# KiCad board beaglebone-ai.kicad_pcb (continued)
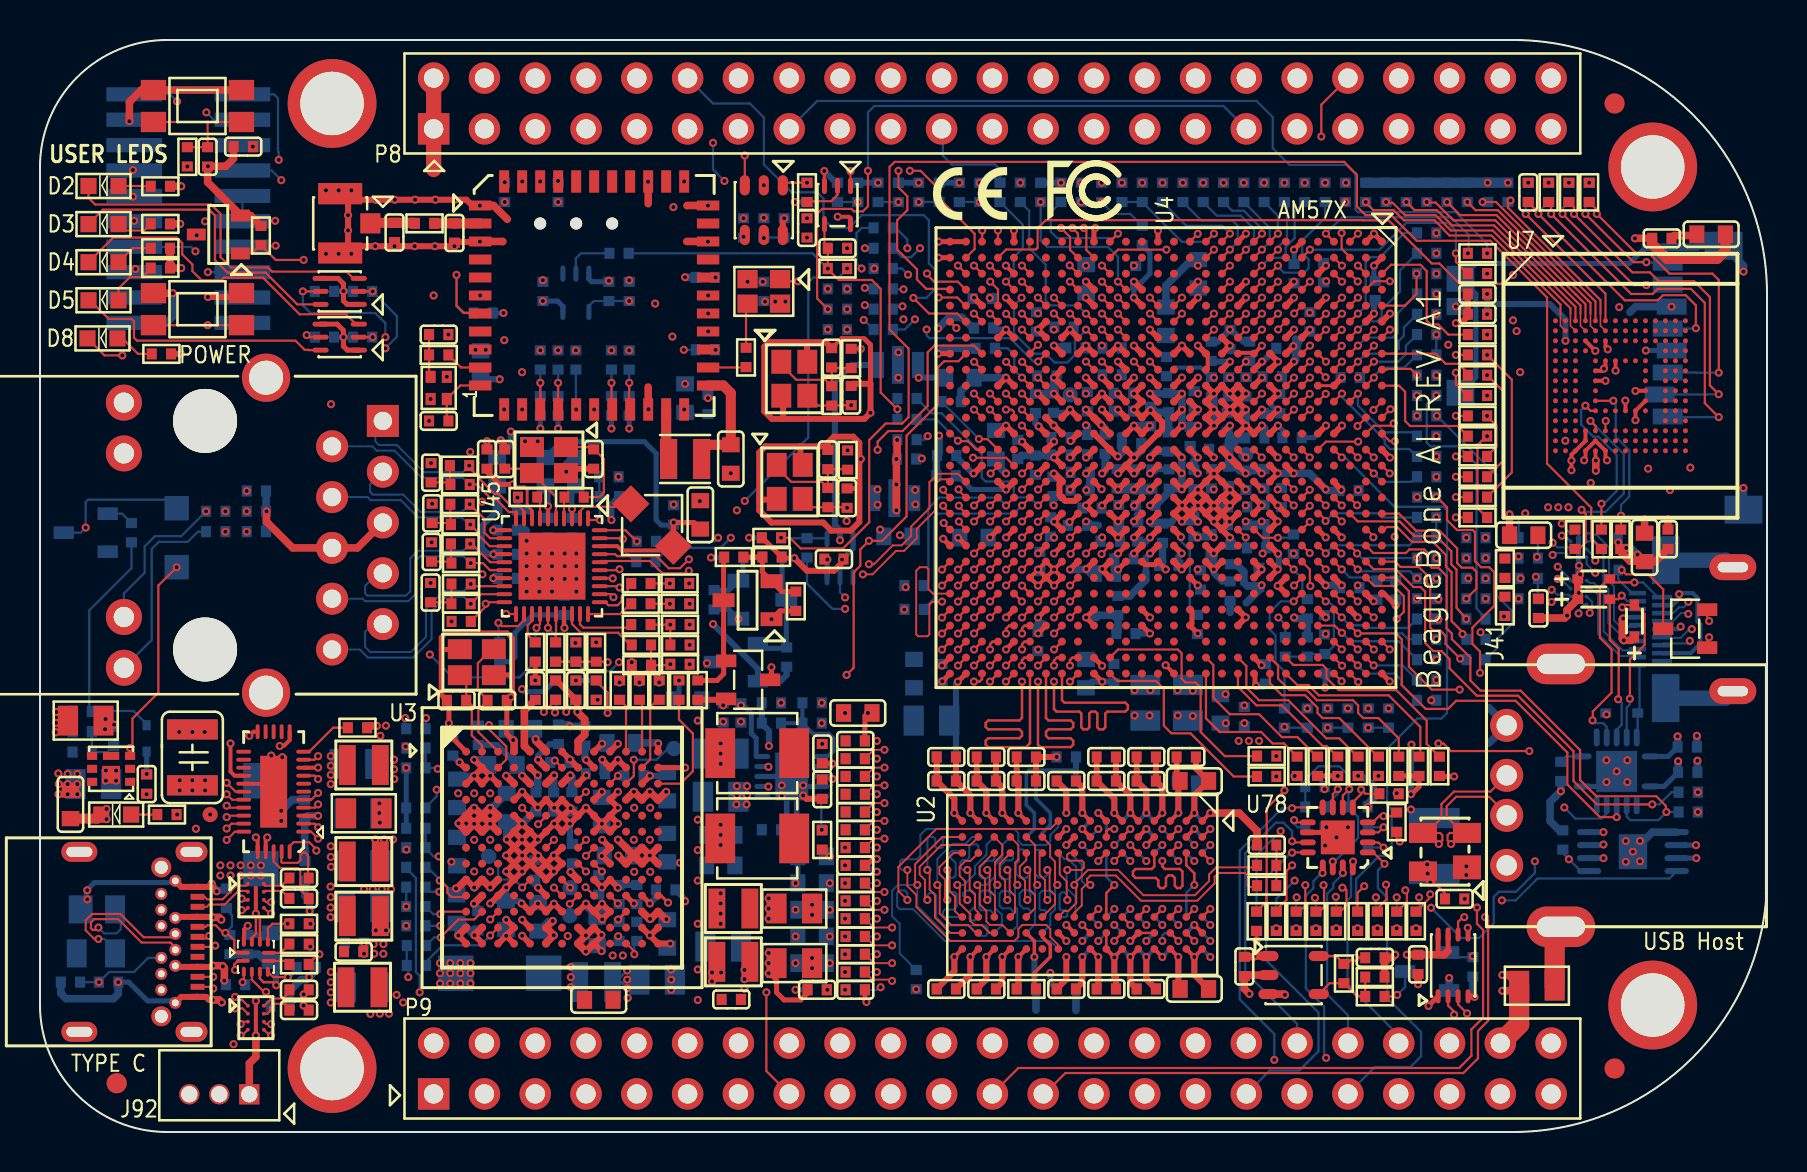
[diagram p0: board, top side]
## Routing (per net, layer and track width the routed paths; a pad name or vN(x,y) marks a point on that pad's centre or on a via; arc(x,y) is an arc through that point) (continued)
/DDR/DDR Part 1/DDR1_D24: length 30.4
  TOP w0.127: U4.AA23 v1(50.71,26.53) ; U2.A7 v1(58.52,11.15)
  SIG_L8 w0.121: v1(58.52,11.15) 58.27,11.15 58.15,11.03 58.15,10.87 58.27,10.74 59.54,10.74 59.67,10.87 59.67,11.06 59.54,11.18 59.29,11.18 59.16,11.31 59.16,11.5 59.29,11.63 59.54,11.63 59.67,11.75 59.67,17.79 58.84,18.61 58.21,18.61 57.95,18.36 57.57,18.36 57.32,18.61 56.24,18.61 55.92,18.93 55.92,19.88 55.8,20.01 55.35,20.01 55.22,20.14 55.22,20.33 55.35,20.45 55.8,20.45 55.92,20.58 55.92,21.03 55.73,21.22 54.46,21.22 54.34,21.34 54.34,22.36 54.59,22.61 54.59,22.99 54.46,23.12 54.08,23.12 53.95,22.99 53.95,22.68 53.83,22.55 53.64,22.55 53.51,22.68 53.51,24.01 52.56,24.96 51.72,24.96 51.12,25.57 51.12,26.8 50.99,26.93 50.65,26.93 50.53,26.8 50.53,26.66 50.65,26.53 v1(50.71,26.53)
/DDR/DDR Part 1/DDR1_D25: length 30.4
  TOP w0.127: U4.Y22 v1(51.51,27.33) ; U2.D7 v1(56.12,11.15)
  SIG_L8 w0.121: v1(56.12,11.15) 56.52,10.75 56.52,9.31 56.68,9.15 57.05,9.15 57.32,8.88 57.32,8.58 57.52,8.38 58.71,8.38 61.26,10.93 61.26,17.72 57.29,21.69 56.74,21.69 56.49,21.93 56.49,22.58 52.02,27.05 51.78,27.05 v1(51.51,27.33)
/DDR/DDR Part 1/DDR1_D26: length 30.3
  TOP w0.127: U2.C8 v1(56.92,9.55) ; U4.Y23 v1(51.51,26.53)
  SIG_L8 w0.121: v1(51.51,26.53) 52.07,26.53 56.11,22.49 56.11,21.85 56.62,21.34 57.13,21.34 57.27,21.2 57.27,20.63 57.51,20.39 58.08,20.39 60.43,18.04 60.43,17.27 60.55,17.15 60.81,17.15 60.93,17.03 60.93,16.79 60.81,16.67 60.55,16.67 60.43,16.55 60.43,16.31 60.55,16.19 60.81,16.19 60.93,16.07 60.93,15.83 60.81,15.7 60.55,15.7 60.43,15.58 60.43,15.34 60.55,15.22 60.81,15.22 60.93,15.1 60.93,14.86 60.81,14.74 60.55,14.74 60.43,14.62 60.43,14.03 60.55,13.91 60.81,13.91 60.93,13.79 60.93,13.55 60.81,13.43 60.55,13.43 60.43,13.31 60.43,13.07 60.55,12.95 60.81,12.95 60.93,12.83 60.93,12.58 60.81,12.46 60.55,12.46 60.43,12.34 60.43,12.1 60.55,11.98 60.81,11.98 60.93,11.86 60.93,11.62 60.81,11.5 60.55,11.5 60.43,11.38 60.43,10.61 58.97,9.15 57.57,9.15 57.17,9.55 v1(56.92,9.55)
/DDR/DDR Part 1/DDR1_D27: length 29.9
  TOP w0.127: U2.C3 v1(56.92,14.35) ; U4.AA24 v1(50.71,25.73)
  SIG_L8 w0.121: v1(50.71,25.73) 50.71,25.48 51.11,25.08 51.11,21.79 51.24,21.66 51.48,21.66 51.6,21.79 51.6,22.04 51.73,22.17 51.92,22.17 52.05,22.04 52.05,21.47 52.18,21.34 53.07,21.34 53.19,21.22 53.19,21.03 53.07,20.9 52.18,20.9 52.05,20.77 52.05,20.58 52.18,20.45 53.07,20.45 53.19,20.33 53.19,18.29 53.32,18.17 55.16,18.17 55.29,18.04 55.29,17.85 55.16,17.72 53.32,17.72 53.19,17.6 53.19,17.41 53.32,17.28 55.16,17.28 55.29,17.15 55.29,16.96 55.16,16.83 54.65,16.83 54.53,16.71 54.53,16.52 54.65,16.39 54.78,16.39 54.91,16.25 54.91,15.69 55.04,15.57 57.95,15.57 58.11,15.41 58.11,14.98 57.87,14.74 57.47,14.74 57.35,14.61 57.35,14.07 57.22,13.94 56.63,13.94 56.51,14.07 56.51,14.5 56.63,14.62 56.79,14.62 56.92,14.5 v1(56.92,14.35)
/DDR/DDR Part 1/DDR1_D28: length 29.9
  TOP w0.127: U4.Y24 v1(51.51,25.73) ; U2.B8 v1(57.72,9.55)
  SIG_L8 w0.121: v1(57.72,9.55) 57.7,9.55 57.7,9.85 57.83,9.98 59.29,9.98 60.05,10.74 60.05,17.91 58.97,18.99 58.21,18.99 58.08,19.12 58.08,19.88 57.95,20.01 57.76,20.01 57.64,19.88 57.64,19.12 57.51,18.99 57.32,18.99 57.19,19.12 57.19,20.2 57.07,20.33 56.88,20.33 56.75,20.2 56.75,19.12 56.62,18.99 56.43,18.99 56.3,19.12 56.3,21.15 55.74,21.72 55.24,21.72 55.12,21.84 55.12,22.97 52.74,25.35 52.04,25.35 51.92,25.47 51.92,26.03 51.8,26.16 51.63,26.16 51.51,26.03 v1(51.51,25.73)
/DDR/DDR Part 1/DDR1_D29: length 30.3
  TOP w0.127: U4.AA26 v1(50.71,24.13) ; U2.A2 v1(58.52,15.15)
  SIG_L8 w0.121: v1(50.71,24.13) 50.71,24.39 50.56,24.54 48.04,24.54 47.92,24.66 47.92,24.84 47.79,24.96 47.22,24.96 47.1,24.84 47.1,23.82 47.22,23.69 49.32,23.69 49.51,23.5 49.51,22.36 49.06,21.91 49.06,21.41 49.19,21.29 49.5,21.29 50.4,20.39 50.4,19.73 50.52,19.61 51.18,19.61 51.6,19.18 51.6,17.02 52.53,16.1 52.53,15.02 52.81,14.74 53.07,14.74 53.32,14.48 53.32,14.23 53.57,13.98 53.83,13.98 54.14,13.66 54.14,13.28 54.27,13.15 54.65,13.15 54.84,12.96 54.84,12.07 54.97,11.94 56.24,11.94 56.53,12.24 56.53,12.96 56.66,13.09 57.83,13.09 58.12,13.38 58.12,14.52 58.52,14.92 v1(58.52,15.15)
/DDR/DDR Part 1/DDR1_D30: length 30.3
  TOP w0.127: U2.A3 v1(58.52,13.55) ; U4.AA25 v1(50.71,24.93)
  SIG_L8 w0.121: v1(58.52,13.55) 58.53,13.55 58.53,13.28 58,12.75 57.55,12.75 56.37,11.56 54.59,11.56 54.46,11.69 54.46,12.64 54.34,12.77 53.97,12.77 53.32,13.42 53.32,13.72 53.07,13.98 52.75,13.98 52.49,14.23 52.49,14.55 52.3,14.74 52,14.74 51.73,15.01 51.73,16.33 51.22,16.83 51.22,19.06 51,19.28 50.14,19.28 50.02,19.4 50.02,20.26 49.37,20.91 48.8,20.91 48.68,21.03 48.68,22.68 48.43,22.93 46.46,22.93 46.33,23.06 46.33,25.22 46.47,25.35 50.29,25.35 v1(50.71,24.93)
/DDR/DDR Part 1/DDR1_D31: length 30.2
  TOP w0.127: U2.C2 v1(56.92,15.15) ; U4.AA28 51.1,21.6 51.23,21.47 54.27,21.47 54.4,21.34 54.4,21.15 54.27,21.03 53.37,21.03 53.27,20.93 53.27,20.24 53.17,20.14 52.97,20.14 52.87,20.24 52.87,20.93 52.77,21.03 52.57,21.03 52.47,20.93 52.47,20.24 52.37,20.14 52.17,20.14 52.07,20.24 52.07,20.93 51.97,21.03 50.83,21.03 50.7,21.15 v1(50.7,22.52)
  SIG_L8 w0.121: v1(56.92,15.15) 56.66,15.15 56.24,14.74 55.86,14.74 55.73,14.61 55.73,14.23 55.48,13.98 55.17,13.98 54.91,14.24 54.91,14.61 54.78,14.74 54.4,14.74 54.13,15.01 54.13,16.71 54.01,16.83 52.94,16.83 52.81,16.96 52.81,17.22 52.68,17.34 52.44,17.34 52.31,17.47 52.31,17.66 52.44,17.79 52.68,17.79 52.81,17.91 52.81,18.17 52.68,18.29 52.44,18.29 52.31,18.42 52.31,18.61 52.44,18.74 52.68,18.74 52.81,18.87 52.81,19.06 52.68,19.18 52.49,19.18 52.37,19.31 52.37,19.5 52.49,19.63 52.68,19.63 52.81,19.76 52.81,19.95 52.68,20.07 52.05,20.07 51.67,20.45 51.67,21.15 51.54,21.28 50.83,21.28 50.7,21.41 v1(50.7,22.52)
/DDR/DDR Part 1/DDR1_DQM0: length 32.5
  TOP w0.127: U4.AD23 v1(49.1,26.53)
  SIG_L5 w0.121: v1(55.32,13.55) 55.35,13.55 55.35,13.02 55.48,12.9 57.19,12.9 57.32,13.02 57.32,16.45 57.45,16.58 57.64,16.58 57.76,16.71 57.76,16.9 57.64,17.02 57.45,17.02 57.32,17.15 57.32,17.34 57.45,17.47 57.64,17.47 57.76,17.6 57.76,17.79 57.64,17.91 56.05,17.91 55.92,18.04 55.92,18.23 56.05,18.36 57.19,18.36 57.32,18.49 57.32,18.68 57.19,18.8 56.04,18.8 55.92,18.92 55.92,19.95 55.79,20.07 55.56,20.07 55.43,19.95 55.43,18.92 55.31,18.8 55.07,18.8 54.95,18.92 54.95,19.95 54.82,20.07 54.6,20.07 54.47,19.95 54.47,18.92 54.35,18.8 54.08,18.8 53.95,18.93 53.95,21.98 53.83,22.1 52.43,22.1 52.3,22.23 52.3,24.01 51.8,24.52 50.52,24.52 50.33,24.71 50.33,25.03 50.02,25.34 49.76,25.34 49.5,25.6 49.5,25.88 49.1,26.28 v1(49.1,26.53)
  BOTTOM w0.127: U11.E7 v1(55.32,13.55)
/DDR/DDR Part 1/DDR1_DQM1: length 30.5
  TOP w0.127: v1(49.9,26.54) 49.92,26.55 49.93,26.55 U4.AB23
  SIG_L10 w0.121: v1(49.9,26.54) 50.16,26.54 50.59,26.1 50.91,26.1 51.1,25.92 51.1,25.6 51.35,25.34 51.6,25.34 54.34,22.61 54.34,21.94 54.58,21.69 55.51,21.69 56.81,20.39 57.7,20.39 61.64,16.45 61.64,11.88 58.91,9.15 55.97,9.15 55.73,9.39 55.73,9.96 v1(56.12,10.35)
  BOTTOM w0.127: U11.D3 v1(56.12,10.35)
/DDR/DDR Part 1/DDR1_DQM2: length 31.2
  TOP w0.127: U2.E7 v1(55.32,11.15) ; U4.AC26 49.24,24.52 49.11,24.4 v1(49.11,24.13)
  INT_L3 w0.121: v1(49.11,24.13) 49.35,24.13 49.73,23.75 50.92,23.75 51.12,23.95 51.12,24.75 51.32,24.95 53.87,24.95 54.22,24.61 54.22,23.66 54.34,23.53 54.98,23.53 55.11,23.4 55.11,23.02 55.23,22.9 56.39,22.9 56.52,22.77 56.52,20.16 56.64,20.04 57.33,20.04 57.46,19.91 57.46,19.72 57.33,19.59 56.64,19.59 56.52,19.47 56.52,19.28 56.64,19.15 57.33,19.15 57.46,19.02 57.46,18.83 57.33,18.7 56.64,18.7 56.52,18.58 56.52,18.39 56.64,18.26 57.33,18.26 57.46,18.13 57.46,17.94 57.33,17.82 56.64,17.82 56.52,17.69 56.52,17.5 56.64,17.37 57.14,17.37 57.27,17.24 57.27,17.05 57.14,16.93 56.25,16.93 55.72,16.4 55.72,13.31 55.85,13.18 56.06,13.18 56.19,13.05 56.19,12.86 56.05,12.73 55.82,12.73 55.7,12.6 55.7,12.41 55.82,12.28 56.06,12.28 56.19,12.16 56.19,12.04 56.06,11.91 55.74,11.91 55.32,11.49 v1(55.32,11.15)
/DDR/DDR Part 1/DDR1_DQM3: length 30
  TOP w0.127: U2.D3 55.72,13.28 55.59,13.15 54.78,13.15 54.65,13.02 54.65,12.83 54.78,12.71 55.8,12.71 55.92,12.58 55.92,12.31 56.03,12.2 56.19,12.2 56.3,12.31 56.3,12.71 56.43,12.83 56.62,12.83 56.75,12.71 56.75,12.31 56.86,12.2 57.02,12.2 57.13,12.31 57.13,13.02 57,13.15 56.25,13.15 56.12,13.28 v1(56.12,13.55) ; v1(50.7,23.32) 50.7,23.58 50.85,23.72 U4.AA27
  SIG_L8 w0.121: v1(50.7,23.32) 50.7,23.63 50.58,23.76 50.4,23.76 50.27,23.63 50.27,23.18 50.4,23.06 50.4,22.8 50.27,22.68 50.27,22.17 50.14,22.04 49.7,22.04 49.57,21.91 49.57,21.72 49.7,21.6 50.14,21.6 50.27,21.47 50.27,21.03 50.4,20.9 51.16,20.9 51.29,20.77 51.29,20.58 51.16,20.45 50.91,20.45 50.78,20.33 50.78,20.07 50.91,19.95 51.67,19.95 51.99,19.63 51.99,17.15 52.78,16.36 53.1,16.36 53.32,16.14 53.32,15.83 53.13,15.64 53.13,15.5 53.32,15.31 53.32,14.99 53.57,14.74 53.89,14.74 54.14,14.48 54.14,14.17 54.34,13.98 54.69,13.98 54.91,13.76 54.91,13.41 55.22,13.09 55.22,12.41 55.35,12.29 56.05,12.29 56.18,12.41 56.18,12.64 56.05,12.77 55.86,12.77 55.73,12.9 55.73,13.75 55.96,13.98 56.11,13.98 56.24,13.85 56.24,13.62 56.18,13.55 v1(56.12,13.55)
/DDR/DDR Part 1/DDR1_DQS0: length 32.4
  TOP w0.127: v1(45.1,24.92) U4.AH25
  SIG_L5 w0.094: v1(45.1,24.92) 45.1,24.9 45.04,24.84 44.81,24.84 44.68,24.96 44.68,25.15 44.56,25.28 44.43,25.28 44.3,25.15 44.3,25.03 44.18,24.9 44.05,24.9 43.92,25.03 43.92,25.15 43.79,25.28 43.67,25.28 43.54,25.15 43.54,25.03 43.41,24.9 43.29,24.9 43.16,25.03 43.16,25.15 43.03,25.28 40.09,25.28 39.8,24.99 39.8,20.42 39.95,20.27 46.79,20.27 50.19,16.86 50.19,14.91 51.23,13.87 52.04,13.87 53.34,12.57 53.34,12.19 54.08,11.45 54.08,11.31 54.24,11.15 v1(54.52,11.15)
  BOTTOM w0.127: U11.F3 v1(54.52,11.15)
/DDR/DDR Part 1/DDR1_DQS1: length 30.5
  TOP w0.127: U4.AE27 v1(47.5,23.32)
  SIG_L10 w0.102: v1(47.5,23.32) 47.92,22.61 47.92,21.85 48.05,21.72 51.2,21.72 51.48,21.45 51.48,19.8 51.58,19.69 52.62,19.69 52.94,19.37 52.94,18.68 52.68,18.42 52.68,17.91 52.81,17.79 53.51,17.79 53.64,17.91 53.64,18.15 53.91,18.42 54.31,18.42 54.59,18.15 54.59,17.15 54.72,17.02 54.91,17.02 55.03,17.15 55.03,18.15 55.31,18.42 55.71,18.42 55.99,18.15 55.99,17.15 56.11,17.02 56.3,17.02 56.43,17.15 56.43,18.15 56.71,18.42 57.11,18.42 57.38,18.15 57.38,17.19 57.49,17.09 58.28,17.09 59.26,16.11 59.26,13.02 59.01,12.77 57.34,12.77 57.07,13.05 57.07,13.41 56.92,13.55 v1(56.92,13.55)
  BOTTOM w0.127: U11.C7 v1(56.92,13.55)
/DDR/DDR Part 1/DDR1_DQS2: length 31.3
  TOP w0.102: U2.F3 v1(53.72,13.55)
  TOP w0.127: U4.AD27 v1(48.3,23.32)
  INT_L3 w0.102: v1(48.3,23.32) 47.87,22.55 47.87,22 48.13,21.74 48.13,20.76 48.48,20.42 49.9,20.42 50.09,20.42 50.22,20.29 50.22,19.42 50.49,19.15 51.02,19.15 51.3,19.42 51.3,20.29 51.42,20.42 51.74,20.42 51.87,20.29 51.87,18.51 51.74,18.39 50.37,18.39 50.09,18.11 50.09,17.46 50.37,17.18 51.74,17.18 51.87,17.05 51.87,16.7 51.76,16.59 50.38,16.59 50.09,16.3 50.09,15.81 50.37,15.53 50.53,15.53 50.66,15.4 50.66,15.02 50.53,14.89 50.17,14.89 49.9,14.62 49.9,13.95 50.17,13.68 51.73,13.68 53.04,12.36 53.04,11.8 53.31,11.53 54.88,11.53 55.2,11.85 55.2,12.81 54.83,13.18 54.09,13.18 v1(53.72,13.55)
/DDR/DDR Part 1/DDR1_DQS3: length 29.9
  TOP w0.127: U2.C7 v1(56.92,11.15) ; U4.Y28 v1(51.5,22.52)
  SIG_L8 w0.094: v1(51.5,22.52) 51.99,23.01 51.99,24.07 52.11,24.2 52.32,24.2 52.43,24.09 52.43,22.12 52.75,21.8 53.51,21.8 53.65,21.66 53.65,20.44 53.96,20.14 54.46,20.14 54.59,20.01 54.59,19.82 54.46,19.69 53.94,19.69 53.65,19.4 53.65,18.98 53.94,18.69 55.1,18.69 55.68,18.1 55.68,16.64 55.99,16.34 56.44,16.34 56.75,16.64 56.75,17.72 56.88,17.85 57.08,17.85 57.21,17.72 57.21,16.64 57.51,16.34 58.03,16.34 58.34,16.64 58.34,17.72 58.46,17.85 58.72,17.85 58.91,17.66 58.91,12.12 58.77,11.99 57.63,11.99 57.33,11.69 57.33,11.57 v1(56.92,11.15)
/DDR/DDR Part 1/DDR1_DQSN0: length 32.3
  TOP w0.127: U4.AG25 v1(45.9,24.92)
  SIG_L5 w0.094: v1(45.9,24.92) 45.9,24.94 45.62,24.94 45.22,25.34 44.94,25.34 44.7,25.58 39.96,25.58 39.5,25.12 39.5,20.29 39.83,19.96 46.66,19.96 49.89,16.74 49.89,14.78 51.1,13.56 51.92,13.56 53.04,12.45 53.04,12.07 53.72,11.38 v1(53.72,11.15)
  BOTTOM w0.127: U11.G3 v1(53.72,11.15)
/DDR/DDR Part 1/DDR1_DQSN1: length 30.4
  TOP w0.127: U4.AE28 v1(47.5,22.52)
  SIG_L10 w0.102: v1(47.5,22.52) 47.54,22.52 47.67,22.4 47.67,22.04 47.44,21.81 47.44,21.6 47.57,21.47 51.1,21.47 51.22,21.34 51.22,19.69 51.48,19.44 52.52,19.44 52.68,19.27 52.68,18.78 52.43,18.53 52.43,17.81 52.71,17.53 53.62,17.53 53.89,17.81 53.89,18.04 54.02,18.17 54.21,18.17 54.34,18.04 54.34,17.05 54.61,16.77 55.01,16.77 55.29,17.05 55.29,18.04 55.41,18.17 55.61,18.17 55.73,18.04 55.73,17.05 56.01,16.77 56.41,16.77 56.68,17.05 56.68,18.04 56.81,18.17 57,18.17 57.13,18.04 57.13,17.09 57.38,16.83 58.17,16.83 59,16 59,13.13 58.9,13.02 57.45,13.02 57.32,13.15 57.32,13.86 57.43,13.98 57.66,13.98 57.76,13.87 57.76,13.55 v1(57.72,13.55)
  BOTTOM w0.127: U11.B7 v1(57.72,13.55)
/DDR/DDR Part 1/DDR1_DQSN2: length 31.2
  TOP w0.127: U2.G3 v1(52.92,13.55) ; U4.AD28 v1(48.3,22.52)
  INT_L3 w0.102: v1(48.3,22.52) 48.24,22.52 48.13,22.41 48.13,22.11 48.39,21.85 48.39,20.87 48.58,20.67 50.19,20.67 50.47,20.4 50.47,19.53 50.6,19.4 50.92,19.4 51.04,19.53 51.04,20.4 51.32,20.67 51.85,20.67 52.12,20.4 52.12,18.41 51.85,18.13 50.47,18.13 50.34,18.01 50.34,17.56 50.47,17.43 51.85,17.43 52.12,17.16 52.12,16.59 51.86,16.33 50.49,16.33 50.34,16.19 50.34,15.91 50.47,15.78 50.64,15.78 50.92,15.51 50.92,14.92 50.64,14.64 50.28,14.64 50.15,14.51 50.15,14.06 50.28,13.93 51.83,13.93 53.3,12.46 53.3,11.9 53.42,11.78 54.78,11.78 54.95,11.95 54.95,12.7 54.72,12.93 53.55,12.93 53.32,13.15 53.32,13.85 53.22,13.95 52.92,13.95 52.82,13.85 52.82,13.65 v1(52.92,13.55)
/DDR/DDR Part 1/DDR1_DQSN3: length 30
  TOP w0.127: v1(51.5,23.32) 51.5,23.6 51.63,23.72 U4.Y27 ; U2.B7 v1(57.72,11.15)
  SIG_L8 w0.094: v1(57.72,11.15) 57.7,11.15 57.64,11.22 57.64,11.56 57.76,11.68 58.9,11.68 59.21,12 59.21,17.79 58.84,18.15 58.34,18.15 58.03,17.85 58.03,16.77 57.9,16.64 57.64,16.64 57.51,16.77 57.51,17.85 57.2,18.15 56.75,18.15 56.44,17.85 56.44,16.77 56.32,16.64 56.11,16.64 55.99,16.77 55.99,18.23 55.22,18.99 54.07,18.99 53.95,19.11 53.95,19.27 54.07,19.39 54.59,19.39 54.89,19.69 54.89,20.14 54.59,20.44 54.08,20.44 53.95,20.57 53.95,21.79 53.64,22.1 52.87,22.1 52.73,22.25 52.73,24.22 52.44,24.5 51.99,24.5 51.68,24.2 51.68,23.5 v1(51.5,23.32)
/Ethernet/MII0_CLK_25M: length 1.7
  TOP w0.114: R467.1 24.38,24.87 24.38,25.34 24.6,25.56 U45.23
/Ethernet/MII0_LED_10_100: length 27.6
  SIG_L8 w0.102: J37.12 6.12,33.94 7.67,32.39 7.67,30.1 8.43,29.34 11.38,29.34 11.73,28.98 11.73,27.76 14.1,25.4 15.49,25.4 17.02,23.88 v1(19.49,23.88)
  BOTTOM w0.114: R660.2 23.98,22.73 20.64,22.73 v1(19.49,23.88)
/Ethernet/MII0_LED_1000: length 27.8
  TOP w0.114: v1(22.92,25.46) 23.09,25.3 23.9,25.3 24.2,25.6 U45.22
  SIG_L8 w0.102: v1(22.92,25.46) 22.48,25.02 20.19,25.02 18.22,26.99 16.51,26.99 15.43,28.07 12.83,28.07 12.37,28.52 12.37,30.84 10.72,32.49 8.18,32.49 J37.11
  BOTTOM w0.114: v1(22.92,25.46) 22.92,24.55 R483.1
/Ethernet/MII0_LED_ACT: length 27.6
  TOP w0.114: U45.21 23.31,25.9 v1(23.3,25.91)
  SIG_L8 w0.102: v1(8.31,31.04) 8.81,30.53 11.15,30.53 12.04,29.64 12.04,28.42 12.7,27.76 15.04,27.76 16.26,26.54 17.97,26.54 19.88,24.64 22.86,24.64 23.3,25.08 v1(23.3,25.91)
  BOTTOM w0.114: J37.13 4.19,26.93 5.23,27.97 5.23,29.29 5.74,29.79 7.06,29.79 v1(8.31,31.04)
/Ethernet/MII0_LED_YEL: length 9.6
  BOTTOM w0.114: R457.1 7.9,30.02 7.39,29.51 5.94,29.51 5.59,29.16 5.59,24.61 J37.14
/Ethernet/MII0_MDC: length 2.1
  TOP w0.114: U45.40 29.28,30.1 29.85,29.53 v1(29.85,29.54)
/Ethernet/MII0_MDIO: length 2.6
  TOP w0.114: v1(29.15,29.65) 29.11,29.7 U45.39
  BOTTOM w0.114: v1(29.15,29.65) 29.15,29.15 29.77,28.52 R469.2
/Ethernet/MII0_RBIAS: length 1.1
  TOP w0.114: U45.7 25,31.61 R465.1
/Ethernet/MII0_RX_CLK: length 2.3
  TOP w0.114: U45.31 28.27,26.5 28.42,26.34 28.88,26.34 29.08,26.54 29.08,26.75 29.39,27.05 29.39,27.28 29.54,27.43 R466.2
/Ethernet/MII0_RX_DV: length 2.4
  TOP w0.114: R464.2 29.49,26.34 29.45,26.34 29.01,25.9 U45.30
/Ethernet/MII0_RXD0: length 3.2
  TOP w0.114: R458.2 29.41,25.22 27.17,25.22 27,25.38 U45.29
/Ethernet/MII0_RXD1: length 3.9
  TOP w0.114: R459.2 29.51,24.36 28.91,24.97 27.04,24.97 26.6,25.4 U45.28
/Ethernet/MII0_RXD2: length 1.4
  TOP w0.114: U45.26 25.8,24.51 R460.2
/Ethernet/MII0_RXD3: length 1.6
  TOP w0.114: v1(25.4,25.21) 25.4,25.21 U45.25
  BOTTOM w0.114: R462.2 25.78,24.83 v1(25.4,25.21)
/Ethernet/MII0_TR0: length 1.9
  TOP w0.114: C338.1 20.42,32.49 20.5,32.41 ; 20.5,32.41 R472.2 ; 20.5,32.41 R468.2
/Ethernet/MII0_TR1: length 2
  TOP w0.114: 20.52,30.4 R474.2 ; 20.52,30.4 20.47,30.45 C341.1 ; 20.52,30.4 R473.2
/Ethernet/MII0_TR2: length 2
  TOP w0.114: R476.2 20.55,28.47 ; 20.55,28.47 20.5,28.52 C342.1 ; 20.55,28.47 R477.2
/Ethernet/MII0_TR3: length 2.1
  TOP w0.114: R479.2 R480.2 20.5,26.49 C343.1
/Ethernet/MII0_TRN0: length 10.9
  TOP w0.114: U45.10 23.8,31 23.45,31 22.83,31.62 22.61,31.62 21.84,32.39 21.6,32.39 21.58,32.37 21.54,32.37 21.53,32.38 v1(21.49,32.38)
  BOTTOM w0.102: v1(21.49,32.38) 21.46,32.38 21.13,32.72 19.09,32.72 17.73,34.07 16.84,34.07 16.62,34.29 J37.2
/Ethernet/MII0_TRN1: length 9.7
  TOP w0.114: U45.13 22.49,29.3 21.93,29.85 21.93,29.96 v1(21.51,30.38)
  BOTTOM w0.102: v1(21.51,30.38) 21.44,30.38 21.08,30.73 18.91,30.73 18.05,31.6 16.54,31.6 16.38,31.75 J37.4
/Ethernet/MII0_TRN2: length 10.8
  TOP w0.114: U45.16 22.5,28.1 22.15,28.45 v1(21.54,28.45)
  BOTTOM w0.102: J37.8 16.13,26.67 16.26,26.54 18.41,26.54 18.8,26.92 18.8,28.57 19.01,28.79 21.17,28.79 21.51,28.45 v1(21.54,28.45)
/Ethernet/MII0_TRN3: length 11.2
  TOP w0.114: v1(21.54,26.42) 22.02,26.9 U45.19
  BOTTOM w0.102: J37.10 15.99,24.13 16.39,23.72 18.66,23.72 19.58,24.65 19.58,26.05 20.31,26.77 21.18,26.77 v1(21.54,26.42)
/Ethernet/MII0_TRP0: length 10.8
  TOP w0.114: v1(21.46,33.32) 21.46,33.22 21.93,32.76 21.93,32.72 22.73,31.92 22.95,31.92 23.57,31.29 23.95,31.29 24.2,31.04 U45.9
  BOTTOM w0.102: v1(21.46,33.32) 21.13,32.99 19.2,32.99 17.84,34.35 16.95,34.35 16.76,34.54 16.76,35.18 J37.1
/Ethernet/MII0_TRP1: length 9.7
  TOP w0.114: v1(21.49,31.39) 22.22,30.66 22.22,29.97 22.5,29.7 U45.12
  BOTTOM w0.102: J37.3 16.51,32.38 16.51,32 16.64,31.88 18.16,31.88 19.02,31.01 21.11,31.01 v1(21.49,31.39)
/Ethernet/MII0_TRP2: length 10.9
  TOP w0.114: v1(21.51,29.41) 21.59,29.41 22.26,28.74 22.27,28.74 22.51,28.5 U45.15
  BOTTOM w0.102: v1(21.51,29.41) 21.17,29.07 18.9,29.07 18.52,28.69 18.52,27.04 18.3,26.82 16.37,26.82 16.26,26.94 16.26,27.31 16.89,27.94 J37.7
/Ethernet/MII0_TRP3: length 11.1
  TOP w0.114: v1(21.54,27.41) 21.65,27.3 U45.18
  BOTTOM w0.102: v1(21.54,27.41) 21.18,27.05 20.19,27.05 19.3,26.16 19.3,24.76 18.54,24 16.51,24 16.26,24.26 16.26,25.02 16.64,25.4 J37.9
/Ethernet/MII0_XI: length 4.2
  TOP w0.114: U45.5 25.8,31.75 X9.3 24.38,33.17 C337.1
/Ethernet/MII0_XO: length 4.9
  TOP w0.114: X9.1 27.57,34.25 C334.1 27.71,34.14 28.19,33.65 28.19,31.98 27.97,31.75 R461.2
/Ethernet/MII0_XO_R: length 1.1
  TOP w0.114: R461.1 26.2,31.64 U45.4
/Ethernet/MII0D_LX: length 3.1
  TOP w0.114: L15.2 29.4,31.27 27.23,31.27 27,31.04 27,30.69 U45.2
/Exp Conn/CLKOUT3: length 9.8
  SIG_L5 w0.102: v1(67.84,10.19) 67.94,10.19 68.81,9.32 68.81,8.28 68.4,7.87 68.4,5.99 68.96,5.44 68.96,3.43 P9.41
/Exp Conn/GPIO4_3: length 45.3
  SIG_L10 w0.102: v1(72.36,43.94) 71.95,43.52 71.95,40.3 v1(72.36,39.88)
  BOTTOM w0.114: P8.15 38.86,51.56 60.83,51.56 61.65,50.75 61.65,49.2 62.48,48.36 65.33,48.36 65.76,47.93 65.79,47.93 65.79,46.13 65.91,46 70.79,46 72.36,44.42 v1(72.36,43.94)
/Exp Conn/GPIO4_18: length 6.4
  SIG_L5 w0.102: v1(68.81,10.19) 70.08,8.92 70.08,4.85 P9.42
/Exp Conn/I2C4_SCL: length 29
  SIG_L5 w0.102: v1(63.8,10.19) 63.8,10.11 61.6,7.9 60.23,7.9 59.16,6.83 52.65,6.83 52.2,6.38 49.88,6.38 48.64,5.14 48.64,3.77 48.25,3.38 46.71,3.38 46.36,3.73 46.36,5.08 45.97,5.46 44.45,5.46 43.94,4.95 43.94,3.3 P9.19
/Exp Conn/I2C4_SDA: length 22.7
  SIG_L5 w0.102: v1(62.81,10.19) 62.81,10.13 61.1,8.42 59.94,8.42 58.94,7.43 52.43,7.43 51.89,6.88 49.68,6.88 48.51,5.71 43.81,5.71 P9.20
/Exp Conn/I2C5_SCL: length 26.3
  SIG_L5 w0.102: P9.17 41.21,3.11 41.21,4.64 42.55,5.97 48.38,5.97 49.52,7.11 51.66,7.11 52.28,7.73 58.83,7.73 60.27,9.17 61.11,9.17 61.85,9.91 61.85,10.16 v1(61.82,10.19)
/Exp Conn/I2C5_SDA: length 23.9
  TOP w0.114: R636.2 v1(60.83,9.59)
  SIG_L5 w0.102: v1(60.83,9.59) 60.24,9.59 58.67,8.03 52.12,8.03 51.44,7.34 49.38,7.34 48.26,6.22 42.35,6.22 40.58,4.44 P9.18
  BOTTOM w0.114: R636.2 v1(60.83,9.59)
/Exp Conn/LCD_CLK: length 35.5
  SIG_L8 w0.102: P8.28 51.69,51.69 51.69,49.53 52.13,49.09 54.23,49.09 54.74,48.58 54.74,47.31 54.95,47.09 63.02,47.09 64.73,45.38 64.73,44.68 65.15,44.26 65.72,44.26 66.29,43.69 66.29,42.9 68.3,40.89 v1(69.82,40.89)
  SIG_L10 w0.102: v1(69.82,40.89) 69.47,40.54 69.47,38.8 71.18,37.08 71.18,35.14 v1(69.82,33.78)
/Exp Conn/LCD_DATA0: length 21.3
  TOP w0.114: v1(72.36,38.86) 73.6,37.63 73.6,32.98 R662.2
  INT_L3 w0.102: v1(72.36,38.86) 72.39,38.86 72.77,39.24 72.77,47.57 73.23,48.03 74.07,48.03 74.96,48.92 74.96,49.56 P8.45
/Exp Conn/LCD_DATA1: length 26.1
  TOP w0.114: v1(72.36,34.8) 72.33,34.8 71.88,34.35 71.88,31.2 72.33,30.76 72.36,30.76 R664.2
  INT_L3 w0.102: v1(72.36,34.8) 73.26,35.7 73.26,45.4 74.16,46.29 76.03,46.29 77.04,47.29 77.04,51.23 P8.46
/Exp Conn/LCD_DATA8: length 31.6
  SIG_L10 w0.102: v1(69.85,35.81) 70.29,36.26 70.29,37 69.88,37.41 69.58,37.41 69.28,37.72 69.28,38.42 69.02,38.67 69.02,42.53 69.21,42.72 69.21,44.48 67.64,46.05 67.06,46.05 66.85,46.25 66.85,47.57 65.4,49.02 P8.37
  BOTTOM w0.114: R626.2 v1(69.85,35.81) 72.82,32.84 72.82,26.85 73.61,26.06 73.61,25.4 72.85,24.64 72.85,24.18 R627.2
/Exp Conn/LCD_DATA9: length 33.6
  TOP w0.114: P8.38 64.07,51.37 v1(64.07,49.78)
  SIG_L10 w0.102: v1(69.82,36.83) 69.79,36.83 69.15,37.46 68.64,37.46 68.45,37.66 68.45,38.48 68.71,38.74 68.71,41.91 68.45,42.16 68.45,44.83 67.54,45.75 66.01,45.75 65.72,46.04 65.72,47.75 64.07,49.4 v1(64.07,49.78)
  BOTTOM w0.114: v1(69.82,36.83) 69.79,36.83 69.34,36.39 69.34,34.48 69.53,34.29 70.93,34.29 71.83,33.39 71.83,26.2 R630.2
/Exp Conn/LCD_DATA10: length 31.1
  INT_L3 w0.102: P8.36 63.88,53.72 73.66,53.72 74.19,53.19 74.19,51.54 74.45,51.28 74.45,48.92 73.88,48.35 72.35,48.35 71.75,47.75 71.75,43.54 v1(72.36,42.93)
  SIG_L10 w0.102: v1(72.36,42.93) 72.9,42.39 72.9,37.36 v1(72.36,36.83)
/Exp Conn/LCD_DATA11: length 39.3
  TOP w0.114: v1(72.36,35.81) 72.36,35.79 72.83,35.32 72.83,34.28 72.36,33.81 R684.2
  INT_L3 w0.102: P8.34 61.6,53.97 73.91,53.97 74.49,53.4 74.49,51.71 74.5,51.71 74.85,51.36 76.23,51.36 76.68,50.9 76.68,49.35 76.05,48.72 76.05,46.99 75.64,46.58 74.12,46.58 73,45.46 73,36.45 v1(72.36,35.81)
/Exp Conn/LCD_DATA12: length 55.6
  SIG_L5 w0.102: v1(39.4,40.13) 39.78,40.51 40.64,40.51 41.15,40 41.55,40 41.83,39.73 51.73,39.73 51.88,39.88 51.88,40.26 52.13,40.51 54.05,40.51 55.09,41.55 55.09,41.94 55.3,42.14 58.17,42.14 58.32,41.99 58.32,39.95 58.54,39.73 63.67,39.73 63.91,39.97 63.91,40.28 64.13,40.51 68.45,40.51 69.6,39.37 v1(70.42,39.37)
  SIG_L8 w0.102: v1(69.82,42.93) 69.79,42.96 69.79,43.43 69.34,43.88 69.34,44.37 69.52,44.55 69.98,44.55 70.23,44.81 70.23,45.17 69.89,45.52 68.28,45.52 67.69,46.1 67.69,46.79 67.26,47.22 66.7,47.22 66.17,47.75 66.17,50.48 65.72,50.93 63.63,50.93 P8.35
  SIG_L10 w0.102: v1(70.42,39.37) 70.42,40.96 69.98,41.4 69.79,41.4 69.41,41.78 69.41,42.54 69.79,42.93 v1(69.82,42.93)
/Exp Conn/LCD_DATA13: length 43.9
  TOP w0.114: v1(41.4,48.07) 41.4,46.29 41.15,46.04 40.7,46.04 40.58,46.16 39.12,46.16 38.86,45.91 38.86,41.68 v1(39.4,41.15)
  SIG_L8 w0.102: v1(69.82,44.96) 68.22,44.96 66.83,46.35 66.83,46.71 64.39,49.15 61.34,49.15 P8.33
  BOTTOM w0.114: v1(41.4,48.07) 41.4,50.99 41.72,51.31 59.18,51.31 P8.33
/Exp Conn/LCD_DATA14: length 32
  SIG_L8 w0.102: v1(69.82,41.91) 68.83,41.91 68.33,42.42 68.33,44.22 66.87,45.68 65.58,45.68 64.64,46.62 64.64,47.78 63.59,48.83 59.12,48.83 P8.31
  SIG_L10 w0.102: v1(72.29,28.7) 71.75,29.24 71.75,30.35 71.5,30.61 71.5,37.82 71.35,37.97 71.35,41.43 70.89,41.88 69.85,41.88 v1(69.82,41.91)
/Exp Conn/LCD_DATA15: length 37.1
  SIG_L8 w0.102: v1(69.82,43.94) 69.82,44.07 70.46,44.7 70.46,45.35 70.02,45.8 68.38,45.8 67.92,46.25 67.92,46.89 67.28,47.52 66.78,47.52 66.42,47.88 66.42,50.61 65.85,51.18 59.31,51.18 P8.32
  SIG_L10 w0.102: v1(72.29,27.69) 72.77,28.17 72.77,30.02 72.75,30.02 71.82,30.95 71.82,38.62 71.65,38.79 71.65,41.73 69.82,43.56 v1(69.82,43.94)
/Exp Conn/LCD_DE: length 29.8
  SIG_L8 w0.102: P8.30 56.71,51.24 56.71,49.4 57.59,48.51 63.37,48.51 63.88,48.01 63.88,47.06 65.54,45.4 66.79,45.4 67.94,44.25 67.94,42.35 68.77,41.53 70.1,41.53 70.29,41.72 70.87,41.72 71.18,41.4 71.18,38.67 70.93,38.42 70.42,38.42 70.04,38.8 70.04,39.66 v1(69.82,39.88)
  BOTTOM w0.114: R620.2 v1(69.82,39.88)
/Exp Conn/LCD_HSYNC: length 28
  SIG_L8 w0.102: v1(69.82,37.85) 69.72,37.95 69.72,39.37 69.41,39.69 69.41,40.2 69.6,40.39 70.1,40.39 70.29,40.58 70.29,41.08 70.1,41.27 68.25,41.27 67.08,42.44 67.08,43.51 66.08,44.51 65.79,44.51 65.44,44.86 65.44,45.17 63.63,46.99 63.63,47.82 63.25,48.2 56.9,48.2 55.25,49.85 P8.29